# Altium PCB uZed_breakout.PcbDoc (part 1 of 4) (continued)
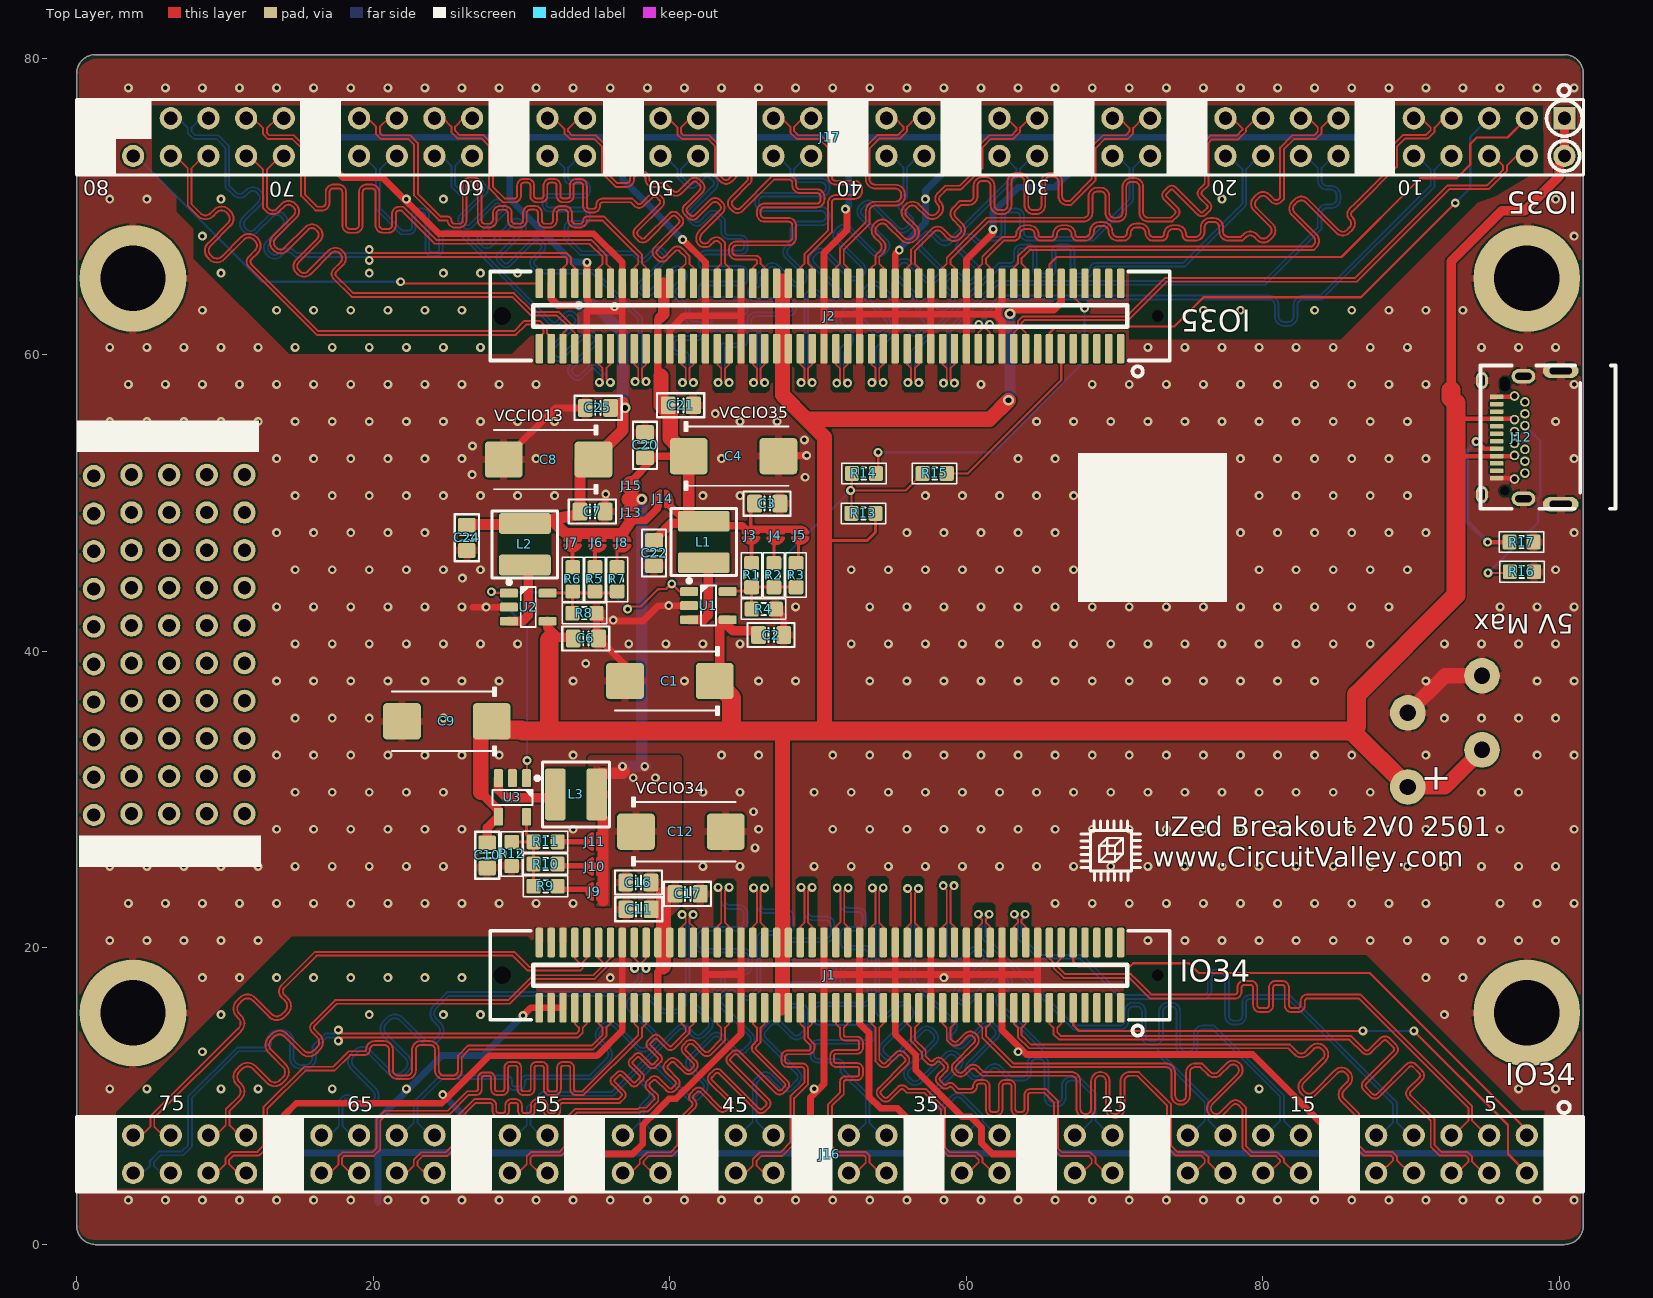
[diagram p0: Top Layer view]
## Components (designator, comment, footprint, x,y, rotation, side; value= is the part's Value field where it differs from the comment) (continued)

## Footprints (in the part's own frame and the unit in brackets; to place one, negate y for a bottom-side part, rotate by r counter-clockwise, add the part's x,y. Pads: shape width x height; smd on the part's side, far side on the other; paste and mask are expansions set on the pad)
804-102 [mm] "Wago"
  round 2.4 hole 1.1: 1(-3,-0.8) 1(-0.5,4.2) 2(2,-0.8) 2(4.5,4.2)
  silkscreen extent -5.75,-7.5 5.75,7.52, body extent -5.69,-7.51 5.81,7.49, height 14.41
61083-101400LF [mm] "61083-101400LF MicroZed Carrier board"
  rrect40% 0.5x2 smd: 1(-19.6,2.2) 2(-19.6,-2.2) 3(-18.8,2.2) 4(-18.8,-2.2) 5(-18,2.2) 6(-18,-2.2) 7(-17.2,2.2) 8(-17.2,-2.2) 9(-16.4,2.2) 10(-16.4,-2.2) 11(-15.6,2.2) 12(-15.6,-2.2) 13(-14.8,2.2) 14(-14.8,-2.2) 15(-14,2.2) 16(-14,-2.2) 17(-13.2,2.2) 18(-13.2,-2.2) 19(-12.4,2.2) 20(-12.4,-2.2) 21(-11.6,2.2) 22(-11.6,-2.2) 23(-10.8,2.2) 24(-10.8,-2.2) 25(-10,2.2) 26(-10,-2.2) 27(-9.2,2.2) 28(-9.2,-2.2) 29(-8.4,2.2) 30(-8.4,-2.2) 31(-7.6,2.2) 32(-7.6,-2.2) 33(-6.8,2.2) 34(-6.8,-2.2) 35(-6,2.2) 36(-6,-2.2) 37(-5.2,2.2) 38(-5.2,-2.2) 39(-4.4,2.2) 40(-4.4,-2.2) 41(-3.6,2.2) 42(-3.6,-2.2) 43(-2.8,2.2) 44(-2.8,-2.2) 45(-2,2.2) 46(-2,-2.2) 47(-1.2,2.2) 48(-1.2,-2.2) 49(-0.4,2.2) 50(-0.4,-2.2) 51(0.4,2.2) 52(0.4,-2.2) 53(1.2,2.2) 54(1.2,-2.2) 55(2,2.2) 56(2,-2.2) 57(2.8,2.2) 58(2.8,-2.2) 59(3.6,2.2) 60(3.6,-2.2) 61(4.4,2.2) 62(4.4,-2.2) 63(5.2,2.2) 64(5.2,-2.2) 65(6,2.2) 66(6,-2.2) 67(6.8,2.2) 68(6.8,-2.2) 69(7.6,2.2) 70(7.6,-2.2) 71(8.4,2.2) 72(8.4,-2.2) 73(9.2,2.2) 74(9.2,-2.2) 75(10,2.2) 76(10,-2.2) 77(10.8,2.2) 78(10.8,-2.2) 79(11.6,2.2) 80(11.6,-2.2) 81(12.4,2.2) 82(12.4,-2.2) 83(13.2,2.2) 84(13.2,-2.2) 85(14,2.2) 86(14,-2.2) 87(14.8,2.2) 88(14.8,-2.2) 89(15.6,2.2) 90(15.6,-2.2) 91(16.4,2.2) 92(16.4,-2.2) 93(17.2,2.2) 94(17.2,-2.2) 95(18,2.2) 96(18,-2.2) 97(18.8,2.2) 98(18.8,-2.2) 99(19.6,2.2) 100(19.6,-2.2)
  round 0 hole 1.2 unplated: 108(22.1,0)
  round 0 hole 0.8 unplated: ""(-22.1,0)
  silkscreen extent -22.91,-3 22.91,4.08, body extent -22.9,-3 22.9,3, height 4.71
CAPC1608N [mm] "Chip Capacitor, Body 1.6x0.8mm, 0603, IPC Medium Density"
  round 0.254 on Mech14: 0(0,0)
  rrect25% 1x1.2 smd: 1(-0.85,0) 2(0.85,0)
  Top Layer pour cut-out: -0.4,0.6 0.4,0.6 0.4,-0.6 -0.4,-0.6
  silkscreen extent -1.57,-0.81 1.6,0.81, body extent -0.85,-0.45 0.85,0.45, height 0.89
CAPMP7343X310N [mm] "Molded body capacitor, Body 7.3x4.3mm, 2917, IPC Nominal settings"
  round 1 on Mech14: 0(0,0)
  rrect20% 2.55x2.45 smd: 1(-3.025,0) 2(3.025,0)
  silkscreen extent -3.3,-2.3 3.7,2.3, body extent -3.8,-1.97 3.8,1.98, height 3.1
Header_2x40 [mm] "Standard 2.54 2x40 80 Pin"
  rect 1.5x1.5 hole 0.9: 1(49.53,1.27)
  round 1.5 hole 0.9: 2(49.53,-1.27) 3(46.99,1.27) 4(46.99,-1.27) 5(44.45,1.27) 6(44.45,-1.27) 7(41.91,1.27) 8(41.91,-1.27) 9(39.37,1.27) 10(39.37,-1.27) 11(36.83,1.27) 12(36.83,-1.27) 13(34.29,1.27) 14(34.29,-1.27) 15(31.75,1.27) 16(31.75,-1.27) 17(29.21,1.27) 18(29.21,-1.27) 19(26.67,1.27) 20(26.67,-1.27) 21(24.13,1.27) 22(24.13,-1.27) 23(21.59,1.27) 24(21.59,-1.27) 25(19.05,1.27) 26(19.05,-1.27) 27(16.51,1.27) 28(16.51,-1.27) 29(13.97,1.27) 30(13.97,-1.27) 31(11.43,1.27) 32(11.43,-1.27) 33(8.89,1.27) 34(8.89,-1.27) 35(6.35,1.27) 36(6.35,-1.27) 37(3.81,1.27) 38(3.81,-1.27) 39(1.27,1.27) 40(1.27,-1.27) 41(-1.27,1.27) 42(-1.27,-1.27) 43(-3.81,1.27) 44(-3.81,-1.27) 45(-6.35,1.27) 46(-6.35,-1.27) 47(-8.89,1.27) 48(-8.89,-1.27) 49(-11.43,1.27) 50(-11.43,-1.27) 51(-13.97,1.27) 52(-13.97,-1.27) 53(-16.51,1.27) 54(-16.51,-1.27) 55(-19.05,1.27) 56(-19.05,-1.27) 57(-21.59,1.27) 58(-21.59,-1.27) 59(-24.13,1.27) 60(-24.13,-1.27) 61(-26.67,1.27) 62(-26.67,-1.27) 63(-29.21,1.27) 64(-29.21,-1.27) 65(-31.75,1.27) 66(-31.75,-1.27) 67(-34.29,1.27) 68(-34.29,-1.27) 69(-36.83,1.27) 70(-36.83,-1.27) 71(-39.37,1.27) 72(-39.37,-1.27) 73(-41.91,1.27) 74(-41.91,-1.27) 75(-44.45,1.27) 76(-44.45,-1.27) 77(-46.99,1.27) 78(-46.99,-1.27) 79(-49.53,1.27) 80(-49.53,-1.27)
  silkscreen extent -50.8,-2.54 50.8,3.53
RESC1608N_ZERO [mm] "Chip Resistor, Body 1.6x0.8mm, 0603, IPC Medium Density"
  round 0.254 on Mech14: 0(0,0)
  rrect25% 0.95x1 smd: 1(-0.813,0) 2(0.813,0)
  Top Layer pour cut-out: -0.4,0.6 0.4,0.6 0.4,-0.6 -0.4,-0.6
  silkscreen extent -1.5,-0.7 1.5,0.7, body extent -0.87,-0.47 0.88,0.48, height 0.54
SFE4018A-2R2M-F-HF [mm] "DDY 2.2 3A 4x4mm"
  rrect25% 1.4x3.5 smd: 1(-1.4,0) 2(1.4,0)
  Top Layer pour cut-out: -0.711,1.854 0.66,1.854 0.66,-1.829 -0.737,-1.829
  silkscreen extent -2.26,-2.2 2.26,2.2, body extent -1.5,-1.5 1.5,1.5, height 1.35
SMD_Jumper [mil]
  round 1 smd paste-100: 1(-14,0) 2(14,0)
  Top Layer region: 3.09,19.25 3.09,-20.46 3.39,-21.96 4.24,-23.24 4.24,-23.24 5.55,-24.11 7.1,-24.42 7.1,-24.42 7.4,-24.42 8.07,-24.31 9.76,-23.64 11.49,-22.76 13.09,-21.81 14.93,-20.49 16.35,-19.3 17.4,-18.3 18.7,-16.89 19.32,-16.11 20.5,-14.51 21,-13.73 21.43,-13.01 22.01,-11.95 22.58,-10.79 22.98,-9.83 23.47,-8.57 23.77,-7.62 24,-6.85 24.16,-6.22 24.48,-4.74 24.61,-3.91 24.69,-3.36 24.76,-2.88 24.8,-2.4 24.85,-1.71 24.9,-0.92 24.92,0.08 24.9,0.97 24.84,2.01 24.74,2.99 24.58,4.18 24.39,5.16 24.21,5.99 24.03,6.71 23.78,7.6 23.54,8.34 23.04,9.71 22.56,10.82 21.85,12.27 20.93,13.83 20.43,14.59 19.89,15.37 19.33,16.09 18.36,17.28 17.65,18.03 16.91,18.77 16.15,19.48 15.52,20.01 14.98,20.45 14.23,21.01 13.66,21.41 13.01,21.84 12.54,22.14 12.12,22.39 11.71,22.63 11.35,22.83 10.21,23.41 9.1,23.92 8.49,24.17 8.17,24.27 7.91,24.33 7.62,24.39 7.37,24.41 7.2,24.42 6.96,24.42 6.69,24.4 6.44,24.37 6.2,24.33 5.83,24.22 5.57,24.12 5.41,24.05 5.22,23.96 5,23.84 4.81,23.71 4.66,23.6 4.52,23.49 4.39,23.37 4.29,23.28 4.2,23.19 4.09,23.07 3.95,22.9 3.85,22.78 3.76,22.64 3.67,22.49 3.58,22.35 3.5,22.19 3.4,21.99 3.34,21.83 3.28,21.68 3.22,21.43 3.17,21.26 3.13,21.04 3.1,20.78 3.09,20.61 3.08,20.52
  Top Layer region: -3.09,-19.25 -3.09,20.46 -3.39,21.96 -4.24,23.24 -4.24,23.24 -5.55,24.11 -7.1,24.42 -7.1,24.42 -7.4,24.42 -8.07,24.31 -9.76,23.64 -11.49,22.76 -13.09,21.81 -14.93,20.49 -16.35,19.3 -17.4,18.3 -18.7,16.89 -19.32,16.11 -20.5,14.51 -21,13.73 -21.43,13.01 -22.01,11.95 -22.58,10.79 -22.98,9.83 -23.47,8.57 -23.77,7.62 -24,6.85 -24.16,6.22 -24.48,4.74 -24.61,3.91 -24.69,3.36 -24.76,2.88 -24.8,2.4 -24.85,1.71 -24.9,0.92 -24.92,-0.08 -24.9,-0.97 -24.84,-2.01 -24.74,-2.99 -24.58,-4.18 -24.39,-5.16 -24.21,-5.99 -24.03,-6.71 -23.78,-7.6 -23.54,-8.34 -23.04,-9.71 -22.56,-10.82 -21.85,-12.27 -20.93,-13.83 -20.43,-14.59 -19.89,-15.37 -19.33,-16.09 -18.36,-17.28 -17.65,-18.03 -16.91,-18.77 -16.15,-19.48 -15.52,-20.01 -14.98,-20.45 -14.23,-21.01 -13.66,-21.41 -13.01,-21.84 -12.54,-22.14 -12.12,-22.39 -11.71,-22.63 -11.35,-22.83 -10.21,-23.41 -9.1,-23.92 -8.49,-24.17 -8.17,-24.27 -7.91,-24.33 -7.62,-24.39 -7.37,-24.41 -7.2,-24.42 -6.96,-24.42 -6.69,-24.4 -6.44,-24.37 -6.2,-24.33 -5.83,-24.22 -5.57,-24.12 -5.41,-24.05 -5.22,-23.96 -5,-23.84 -4.81,-23.71 -4.66,-23.6 -4.52,-23.49 -4.39,-23.37 -4.29,-23.28 -4.2,-23.19 -4.09,-23.07 -3.95,-22.9 -3.85,-22.78 -3.76,-22.64 -3.67,-22.49 -3.58,-22.35 -3.5,-22.19 -3.4,-21.99 -3.34,-21.83 -3.28,-21.68 -3.22,-21.43 -3.17,-21.26 -3.13,-21.04 -3.1,-20.78 -3.09,-20.61 -3.08,-20.52
SMD_Jumper_bridge [mil]
  round 1 smd paste-200: 1(-14,0) 2(14,0)
  Top Layer region: -15.73,-11 10,-11 10,11.99 -15.73,11.99
  Top Layer region: -3.06,14.1 -3.06,20.36 -3.37,21.92 -4.25,23.24 -5.57,24.12 -7.12,24.43 -7.12,24.43 -7.91,24.36 -8.93,24.03 -10.15,23.46 -12.24,22.35 -13.71,21.4 -15.5,20.08 -16.33,19.34 -17.48,18.24 -18.29,17.36 -19.04,16.51 -19.74,15.6 -20.48,14.55 -21.08,13.62 -21.42,13.04 -21.77,12.41 -22.01,11.97 -22.28,11.45 -22.72,10.51 -23.05,9.73 -23.36,8.92 -23.61,8.18 -23.83,7.49 -23.94,7.09 -24.09,6.52 -24.19,6.11 -24.5,4.7 -24.6,4.08 -24.73,3.25 -24.78,2.78 -24.83,2.24 -24.87,1.74 -24.91,1.12 -24.94,0.64 -24.93,0.12 -24.93,-0.28 -24.92,-0.7 -24.9,-1.08 -24.88,-1.52 -24.85,-2 -24.82,-2.36 -24.76,-2.96 -24.69,-3.47 -24.6,-4.08 -24.45,-4.94 -24.15,-6.31 -23.98,-6.95 -23.77,-7.68 -23.5,-8.5 -23.03,-9.77 -22.36,-11.27 -21.63,-12.73 -20.69,-14.27 -19.76,-15.6 -18.33,-17.28 -16.8,-18.92 -14.99,-20.45 -14.21,-21.04 -13.46,-21.55 -12.29,-22.31 -11.19,-22.93 -10.4,-23.34 -9.54,-23.74 -8.7,-24.1 -8.24,-24.26 -7.94,-24.34 -7.65,-24.4 -7.36,-24.42 -6.89,-24.43 -5.45,-24.14 -4.22,-23.32 -3.41,-22.1 -3.12,-20.65 -3.12,-20.65 -3.12,-19.49
  Top Layer region: 3.06,-14.1 3.06,-20.36 3.37,-21.92 4.25,-23.24 5.57,-24.12 7.12,-24.43 7.12,-24.43 7.91,-24.36 8.93,-24.03 10.15,-23.46 12.24,-22.35 13.71,-21.4 15.5,-20.08 16.33,-19.34 17.48,-18.24 18.29,-17.36 19.04,-16.51 19.74,-15.6 20.48,-14.55 21.08,-13.62 21.42,-13.04 21.77,-12.41 22.01,-11.97 22.28,-11.45 22.72,-10.51 23.05,-9.73 23.36,-8.92 23.61,-8.18 23.83,-7.49 23.94,-7.09 24.09,-6.52 24.19,-6.11 24.5,-4.7 24.6,-4.08 24.73,-3.25 24.78,-2.78 24.83,-2.24 24.87,-1.74 24.91,-1.12 24.94,-0.64 24.93,-0.12 24.93,0.28 24.92,0.7 24.9,1.08 24.88,1.52 24.85,2 24.82,2.36 24.76,2.96 24.69,3.47 24.6,4.08 24.45,4.94 24.15,6.31 23.98,6.95 23.77,7.68 23.5,8.5 23.03,9.77 22.36,11.27 21.63,12.73 20.69,14.27 19.76,15.6 18.33,17.28 16.8,18.92 14.99,20.45 14.21,21.04 13.46,21.55 12.29,22.31 11.19,22.93 10.4,23.34 9.54,23.74 8.7,24.1 8.24,24.26 7.94,24.34 7.65,24.4 7.36,24.42 6.89,24.43 5.45,24.14 4.22,23.32 3.41,22.1 3.12,20.65 3.12,20.65 3.12,19.49
SOT23-5 [mm]
  round 0.5 on Mech14: 0(0,0)
  rrect25% 1.2x0.6 smd: 1(-1.3,0.95) 2(-1.3,0) 3(-1.3,-0.95) 4(1.3,-0.95) 5(1.3,0.95)
  silkscreen extent -1.42,-1.35 0.51,1.81, body extent -1.4,-1.45 1.4,1.45, height 1.44
UT11113-11602-7H [mm] "Foxconn USB connector"
  oval 1x2.4 hole 0.5 slot 1.5 at 90 deg: 0(-4.5,-0.438) 0(4.5,-0.438)
  oval 1x1.6 hole 0.5 slot 1.1 at 90 deg: 0(-4.13,2.077) 0(4.13,2.077)
  oval 1.15x0.8 hole 0.4 slot 0.75 at 0 deg: 0(-3.845,4.877) 0(3.845,4.877)
  round 0.1 hole 0.65 unplated: 1(-3.6,3.327)
  round 0.1 hole 0.65 slot 0.95 at 0 deg unplated: 1(3.6,3.327)
  rrect20% 0.3x0.9 smd: A1(-2.75,3.887) A2(-2.25,3.887) A3(-1.75,3.887) A4(-1.25,3.887) A5(-0.75,3.887) A6(-0.25,3.887) A7(0.25,3.887) A8(0.75,3.887) A9(1.25,3.887) A10(1.75,3.887) A11(2.25,3.887) A12(2.75,3.887)
  round 0.65 hole 0.4: B1(2.8,2.677) B2(2.4,1.977) B3(1.6,1.977) B4(1.2,2.677) B5(0.8,1.977) B6(0.4,2.677) B7(-0.4,2.677) B8(-0.8,1.977) B9(-1.2,2.677) B10(-1.6,1.977) B11(-2.4,1.977) B12(-2.8,2.677)
  silkscreen extent -4.8,-4.12 4.85,4.98, body extent -4.8,-3.71 4.85,4.99, height 3.19

## Part data
C1 C4 C8 C9 C12: library part CAPT_330u_2917_6V3, "Capacitor SMD Tant 330uF 20% 6V3 2917", ESR (Equivalent Series Resistance)="15 mOhm", Manufacturer Part Number=T520D337M006ATE015, Manufacturer Size Code=D, Operating Temperature="-55°C ~ 125°C", Package / Case="2917 (7343 Metric)", Ratings=6.3V, Supplier Part Number 1=399-4052-1-ND, Tolerance=±20%, ComponentLink1Description="T520D Datasheet", ComponentLink1URL=http://www.kemet.com/datasheets&T520D337M006ATE015, Height - Seated (Max)="0.122\" (3.10mm)", Material="Solid Tantalum", Part=TAJD336K020R, Size / Dimension="0.287\" L x 0.169\" W (7.30mm x 4.30mm)", Supplier 1=Digi-Key
C2 C3 C6 C7 C10 C11 C16 C17 C20 C21 C22 C24 C25: library part CAPC_10p_0603_NP0_1%_50V, "Capacitor SMD Cer 10pF 5% 50V NP0 0603", Manufacturer 1="Murata Electronics North America", Manufacturer Part Number 1=GRM1885C1H100FA01J, Operating Temperature="-55°C ~ 125°C", Package / Case="0603 (1608 Metric)", Ratings="50V; NP0", Supplier Part Number 1=GRM1885C1H100FA01J-ND, Tolerance=±5%, Part=C0603X104K5RAC, Size / Dimension="0.063\" L x 0.032\" W (1.60mm x 0.81mm)", Supplier 1=Digi-Key, Thickness (Max)="0.035\" (0.90mm)"
J3 J5 J6 J8 J9 J11 J13 J14 J15: library part SMD_Jumper
J4 J7 J10: library part SMD_Jumper_Bridged, "SMD Jumper"
J12: library part USB_C, "USB C connector"
J16 J17: library part Header_2x40
L1 L2 L3: library part inductor_smd
R1 R2 R3 R4 R5 R6 R7 R8 R9 R10 R11 R12 R13 R14 R15 R16 R17: library part RES_0R_0603, "Resistor SMD chip 0.0 Ohm 0.1W 0603", Manufacturer 1=Vishay/Dale, Manufacturer Part Number 1=CRCW06030000Z0EA, Package / Case="0603 (1608metric)", Ratings=1/10W, Supplier Part Number 1=541-0.0GCT-ND, Tolerance=±5%, Supplier 1=Digi-Key
J19: Part=804-102

## Free pads (board coordinates)
  round 1.5 hole 0.9: 0(1.16,26.504) 0(1.16,28.968) 0(1.16,31.508) 0(1.16,34.048) 0(1.16,36.588) 0(1.16,39.128) 0(1.16,41.668) 0(1.16,44.208) 0(1.16,46.748) 0(1.16,49.288) 0(1.16,51.828) 0(1.16,54.444) 0(3.7,26.504) 0(3.7,29.044) 0(3.7,31.584) 0(3.7,34.124) 0(3.7,36.664) 0(3.7,39.204) 0(3.7,41.744) 0(3.7,44.284) 0(3.7,46.824) 0(3.7,49.364) 0(3.7,51.904) 0(3.7,54.444) 0(6.24,26.504) 0(6.24,29.044) 0(6.24,31.584) 0(6.24,34.124) 0(6.24,36.664) 0(6.24,39.204) 0(6.24,41.744) 0(6.24,44.284) 0(6.24,46.824) 0(6.24,49.364) 0(6.24,51.904) 0(6.24,54.444) 0(8.78,26.504) 0(8.78,29.044) 0(8.78,31.584) 0(8.78,34.124) 0(8.78,36.664) 0(8.78,39.204) 0(8.78,41.744) 0(8.78,44.284) 0(8.78,46.824) 0(8.78,49.364) 0(8.78,51.904) 0(8.78,54.444) 0(11.32,26.504) 0(11.32,29.044) 0(11.32,31.584) 0(11.32,34.124) 0(11.32,36.664) 0(11.32,39.204) 0(11.32,41.744) 0(11.32,44.284) 0(11.32,46.824) 0(11.32,49.364) 0(11.32,51.904) 0(11.32,54.444)
  round 7.2 hole 4.4: 0(3.81,15.621) 1(97.79,15.621) 2(97.79,65.151) 3(3.81,65.151)

## Via types
v1: diameter 0.6, hole 0.3, Top Layer to Bottom Layer, 562 vias
v2: diameter 0.6, hole 0.3, Top Layer to Bottom Layer, tented both sides, 75 vias
v3: diameter 0.711, hole 0.381, Top Layer to Bottom Layer, tented both sides, 4 vias

## Nets (pads, with @x,y where several pads share a name; then routed paths per layer and width w, separated by ;. In a path a pad name is that pad's centre, name@x,y a point inside that pad or via, vN(x,y) a via of type N, cw(c..) or ccw(c..) an arc to the next point about the centre after c; other vN are vias at no path point)
+5V: C1.1 C2.2 C6.2 C9.1 C10.2 J1.57 J1.58 J1.59 J1.60 J2.12 J2.57 J2.58 J2.59 J2.60 J12.A4 J12.A9 J12.B4 J12.B9 J17.1 J17.2 J19.2 R13.1 U1.4 U2.4 U3.4 | length 235
  Top Layer w0.203: 50.434,47.473 53.315,47.473 53.874,48.032 R13.1@53.874,49.301
  Top Layer w0.305: 93.008,53.315 93.153,53.17 J12.A4@95.753,53.17 96.963,53.17 J12.B9@96.963,53.22 ; 93.243,55.67 J12.A9@95.753,55.67 96.963,55.67 J12.B4@96.963,55.62
  Top Layer w0.508: 63.195,63.043 65.888,63.043 66.4,63.555 J2.12@66.4,64.811
  Top Layer w0.635: 27.252,30.484 28.438,29.298 U3.4@28.438,28.85 27.686,28.098 C10.2@27.686,27.088 ; U2.4@31.755,42.027 31.755,41.626 32.436,40.945 33.415,40.945 C6.2@33.491,40.869 ; 31.862,40.771 31.862,41.519 ; C1.1@43.03,37.998 43.38,38.348 43.38,41.756 43.516,41.893 43.516,42.111 43.534,42.128 U1.4@43.9,42.128 ; 43.867,41.776 44.263,41.38 45.805,41.38 45.988,41.197 C2.2@45.988,41.097 ; 92.685,57.607 92.685,66.294 96.111,69.72 97.662,69.72 99.99,72.048 99.99,72.832 100.33,73.172 J17.1@100.33,75.946
  Top Layer w1.016: 27.252,30.484 27.252,34.564 27.969,35.281 C9.1@27.993,35.281 ; 47.523,15.951 47.6,16.027 47.6,34.468 47.752,34.62 ; 47.574,64.973 47.6,64.948 47.6,57.277 49.225,55.651 ; 50.434,35.164 50.434,47.473 50.434,54.442 49.225,55.651 ; v3(62.84,56.921) 61.57,55.651 49.225,55.651 ; J19.2@89.767,30.854 92.267,30.854 J19.2@94.767,33.354
  Top Layer w1.27: C9.1@27.993,35.281 28.583,34.691 30.003,34.691 30.073,34.62 31.869,34.62 ; 31.869,40.763 31.869,34.62 ; C1.1@43.03,37.998 44.171,36.858 44.171,34.62 ; J19.2@89.767,30.854 86.001,34.62 ; 92.685,57.607 92.685,57.067 93.008,56.743 93.008,53.315 93.008,43.783 86.309,37.084 86.309,34.928 86.001,34.62 ; 31.869,34.62 44.171,34.62 ; 44.171,34.62 47.752,34.62 86.001,34.62
  Bottom Layer w0.508: v3@62.789,56.972 v3(62.84,56.921)
  Bottom Layer w0.762: v3@62.789,56.972 62.941,57.125 v3(62.941,62.763)
GND: C1.2 C2.1 C3.1 C4.2 C6.1 C7.1 C8.2 C9.2 C10.1 C11.1 C12.2 C16.1 C17.1 C20.1 C21.1 C22.1 C24.1 C25.1 J1.15 J1.16 J1.21 J1.22 J1.27 J1.28 J1.33 J1.34 J1.39 J1.40 J1.45 J1.46 J1.51 J1.52 J1.65 J1.66 J1.71 J1.72 J1.77 J1.85 J1.86 J1.95 J1.96 J1.97 J1.98 J1.99 J1.100 J2.15 J2.16 J2.21 J2.22 J2.27 J2.28 J2.33 J2.34 J2.39 J2.40 J2.45 J2.46 J2.51 J2.52 J2.65 J2.66 J2.71 J2.72 J2.77 J2.85 J2.86 J2.91 J2.92 J12.0 J12.A1 J12.A12 J12.B1 J12.B12 J16.1 J16.2 J16.13 J16.14 J16.23 J16.24 J16.29 J16.30 J16.35 J16.36 J16.41 J16.42 J16.47 J16.48 J16.53 J16.54 J16.59 J16.60 J16.69 J16.70 J16.79 J16.80 J17.11 J17.12 J17.21 J17.22 J17.27 J17.28 J17.33 J17.34 J17.39 J17.40 J17.45 J17.46 J17.51 J17.52 J17.57 J17.58 J17.67 J17.68 J17.77 J17.79 J17.80 J19.1 pad.0@1.16,26.504 pad.0@1.16,54.444 pad.0@3.7,26.504 pad.0@3.7,54.444 pad.0@3.81,15.621 pad.0@6.24,26.504 pad.0@6.24,54.444 pad.0@8.78,26.504 pad.0@8.78,54.444 pad.0@11.32,26.504 pad.0@11.32,54.444 pad.1 pad.2 pad.3 R4.2 R8.1 R12.2 R16.2 R17.2 U1.2 U2.2 U3.2 | length 529.2
  Top Layer w0.305: J12.A1@95.753,51.67 95.755,51.667 96.915,51.667 J12.B12@96.963,51.62 ; J12.A12@95.753,57.17 95.755,57.172 96.915,57.172 J12.B1@96.963,57.22
  Top Layer w0.457: J16.69@13.97,7.366 13.97,8.687 14.808,9.525 24.62,9.525 24.934,9.839 24.689,10.084 v2(24.689,10.109) ; J17.68@16.51,73.406 17.958,71.958 20.633,71.958 24.431,68.161 34.863,68.161 36.8,66.224 J2.86@36.8,64.811 36.8,62.992 ; 24.946,9.852 27.82,12.725 35.077,12.725 36.8,14.448 J1.85@36.8,15.961 J1.86@36.8,20.361 ; 26.721,42.977 U2.2@29.155,42.977 ; C8.2@28.801,52.934 32.281,56.413 C25.1@34.304,56.413 ; v2(30.099,15.443) 30.617,15.961 J1.99@31.2,15.961 J1.97@32,15.961 J1.95@32.8,15.961 ; 34.366,6.096 37.49,6.096 38.176,6.782 38.176,8.052 38.672,8.547 38.684,8.547 39.637,9.5 39.637,9.512 39.954,9.83 40.41,9.83 41.07,10.49 41.097,10.49 44.8,14.193 J1.65@44.8,15.961 44.8,18.212 ; J2.91@34.4,60.411 34.4,62.927 34.538,63.065 34.538,63.608 34.421,63.724 34.421,64.79 J2.92@34.4,64.811 34.408,64.819 34.408,66.218 v2(34.415,66.226) ; 34.422,62.95 36.758,62.95 36.8,62.992 ; C7.1@35.641,49.429 35.641,50.558 v2(35.68,50.597) ; J2.85@36.8,60.411 36.8,62.992 ; C1.2@36.98,37.998 36.98,39.079 C6.1@35.191,40.869 35.052,41.007 R8.1@35.052,42.57 35.052,42.545 35.299,42.299 35.324,42.299 35.581,42.042 38.206,42.042 39.243,43.078 U1.2@41.3,43.078 ; J2.77@40,60.411 40,61.666 40.97,62.636 42.4,62.636 ; v2(40.869,67.768) 42.4,66.236 J2.72@42.4,64.811 42.4,62.636 ; J1.71@42.4,15.961 42.4,18.339 ; J1.72@42.4,20.361 42.4,18.339 ; J2.71@42.4,60.411 42.4,62.636 ; J1.66@44.8,20.361 44.8,18.212 ; J2.65@44.8,60.411 44.8,62.738 ; J2.66@44.8,64.811 44.8,62.738 ; R4.2@47.143,42.85 47.688,42.305 C2.1@47.688,41.097 ; C4.2@47.323,53.162 47.365,53.205 v2(49.22,53.205) ; J16.41@49.53,7.366 49.479,7.417 49.479,9.906 50.4,10.827 J1.51@50.4,15.961 50.4,18.212 ; J1.52@50.4,20.361 50.4,18.212 ; J2.51@50.4,60.411 50.4,62.713 ; v2(51.841,69.825) 51.943,69.825 51.943,68.402 50.4,66.859 J2.52@50.4,64.811 50.4,62.713 ; J1.46@52.8,20.361 52.8,18.212 ; J2.45@52.8,60.411 52.8,62.738 ; J2.46@52.8,64.811 52.8,62.738 ; J1.40@55.2,20.361 55.2,18.212 ; J2.39@55.2,60.411 55.2,62.738 ; v2(55.474,67.056) 55.2,66.782 J2.40@55.2,64.811 55.2,62.738 ; J16.35@57.15,7.366 55.321,9.195 54.204,9.195 53.442,9.957 53.442,14.275 52.8,14.916 J1.45@52.8,15.961 52.8,18.212 ; J1.33@57.6,15.961 57.6,18.212 ; J1.34@57.6,20.361 57.6,18.212 ; J2.33@57.6,60.411 57.6,62.738 ; J2.34@57.6,64.811 57.6,62.738 ; J1.27@60,15.961 60,18.212 ; J1.28@60,20.361 60,18.212 ; J2.27@60,60.411 60,62.738 ; v2(61.798,68.453) 61.798,68.224 60,66.426 J2.28@60,64.811 60,62.738 ; 62.135,62.542 62.4,62.277 J2.21@62.4,60.411 ; J1.22@62.4,20.361 62.4,18.212 ; J2.22@62.4,64.811 62.4,63.467 62.154,63.221 62.154,62.738 62.154,62.56 61.976,62.738 60,62.738 ; 64.694,6.096 61.747,6.096 61.011,6.833 61.011,7.899 60.3,8.611 59.728,8.611 56.584,11.754 56.584,12.797 55.2,14.18 J1.39@55.2,15.961 55.2,18.212 ; J1.15@64.8,15.961 64.8,18.212 ; J1.16@64.8,20.361 64.8,18.212 ; J16.13@85.09,7.366 84.76,7.366 79.311,12.814 64.058,12.814 62.4,14.472 J1.21@62.4,15.961 62.4,18.212 ; 42.4,18.339 42.527,18.212 44.8,18.212 ; 42.4,62.636 44.698,62.636 44.8,62.738 ; 50.4,18.212 52.8,18.212 ; 50.4,62.713 50.425,62.738 52.8,62.738 ; 52.8,18.212 55.2,18.212 ; 52.8,62.738 55.2,62.738 ; 55.2,18.212 57.6,18.212 ; 55.2,62.738 57.6,62.738 ; 57.6,18.212 60,18.212 ; 57.6,62.738 60,62.738 ; 60,18.212 62.4,18.212 ; 62.4,18.212 64.8,18.212
  Top Layer w1.016: J19.1@89.767,35.854 92.267,38.354 J19.1@94.767,38.354
  Bottom Layer w0.457: 14.3,6.172 20.32,6.172 ; 15.545,74.651 87.63,74.687 ; 20.32,2.819 20.32,6.172 ; v2(24.689,10.109) 26.67,8.128 J16.59@26.67,7.366 ; 26.34,6.198 20.32,6.198 ; 27.686,6.172 33.706,6.172 ; J17.58@29.21,73.406 29.21,70.485 33.442,66.253 34.388,66.253 v2(34.415,66.226) ; v2(30.099,15.443) 27.407,12.751 24.638,12.751 20.32,8.433 20.32,6.198 ; 34.671,6.147 100.177,6.18 ; J17.52@36.83,73.406 36.83,71.806 v2(40.869,67.768) ; v2(51.841,69.825) 52.07,70.053 J17.40@52.07,73.406 ; v2(55.474,67.056) 55.474,67.145 57.252,68.923 57.252,71.069 59.588,73.406 J17.34@59.69,73.406 ; v2(61.798,68.453) 61.798,69.614 62.402,70.217 62.419,70.217 63.5,71.298 65.989,71.298 67.31,72.619 J17.28@67.31,73.406 ; 20.32,6.172 20.32,6.198
  other v1: 3.485,3 5.985,3 8.485,3 10.985,3 13.485,3 15.985,3 18.485,3 20.985,3 23.485,3 25.985,3 28.485,3 30.985,3 33.485,3 35.985,3 38.485,3 40.985,3 43.485,3 45.985,3 48.485,3 50.985,3 53.485,3 55.985,3 58.485,3 60.985,3 63.485,3 65.985,3 68.485,3 70.985,3 73.485,3 75.985,3 78.485,3 80.985,3 83.485,3 85.985,3 88.485,3 90.985,3 93.485,3 95.985,3 98.485,3 100.985,3 2.235,10.5 4.735,10.5 9.735,10.5 12.235,10.5 17.235,10.5 22.235,10.5 49.735,10.5 79.735,10.5 97.235,10.5 99.735,10.5 8.485,13 63.485,13 9.735,15.5 19.735,15.5 24.735,15.5 27.235,15.5 92.235,15.5 8.485,18 10.985,18 13.485,18 15.985,18 18.485,18 20.985,18 23.485,18 25.985,18 35.985,18 58.485,18 90.985,18 93.485,18 2.235,20.5 4.735,20.5 7.235,20.5 9.735,20.5 12.235,20.5 72.235,20.5 74.735,20.5 77.235,20.5 79.735,20.5 82.235,20.5 84.735,20.5 87.235,20.5 89.735,20.5 92.235,20.5 94.735,20.5 97.235,20.5 99.735,20.5 3.485,23 5.985,23 8.485,23 10.985,23 13.485,23 15.985,23 18.485,23 20.985,23 23.485,23 25.985,23 28.485,23 30.985,23 33.485,23 65.985,23 68.485,23 70.985,23 73.485,23 75.985,23 78.485,23 80.985,23 83.485,23 85.985,23 88.485,23 90.985,23 95.985,23 98.485,23 100.985,23 2.235,25.5 4.735,25.5 7.235,25.5 9.735,25.5 12.235,25.5 14.735,25.5 17.235,25.5 19.735,25.5 22.235,25.5 24.735,25.5 42.235,25.5 44.735,25.5 49.735,25.5 52.235,25.5 54.735,25.5 57.235,25.5 59.735,25.5 62.235,25.5 64.735,25.5 67.235,25.5 69.735,25.5 72.235,25.5 74.735,25.5 77.235,25.5 79.735,25.5 82.235,25.5 84.735,25.5 87.235,25.5 89.735,25.5 92.235,25.5 94.735,25.5 97.235,25.5 99.735,25.5 45.745,26.746 13.485,28 15.985,28 18.485,28 20.985,28 23.485,28 25.985,28 33.485,28 45.985,28 50.985,28 53.485,28 55.985,28 58.485,28 60.985,28 63.485,28 65.985,28 68.485,28 70.985,28 73.485,28 75.985,28 78.485,28 80.985,28 83.485,28 85.985,28 88.485,28 90.985,28 93.485,28 95.985,28 100.985,28 45.644,29.185 14.735,30.5 17.235,30.5 19.735,30.5 22.235,30.5 24.735,30.5 42.235,30.5 44.735,30.5 49.735,30.5 52.235,30.5 54.735,30.5 57.235,30.5 59.735,30.5 62.235,30.5 64.735,30.5 67.235,30.5 69.735,30.5 72.235,30.5 74.735,30.5 77.235,30.5 79.735,30.5 82.235,30.5 84.735,30.5 87.235,30.5 94.735,30.5 97.235,30.5 13.485,33 15.985,33 18.485,33 20.985,33 23.485,33 25.985,33 28.485,33 33.485,33 43.485,33 45.985,33 50.985,33 53.485,33 55.985,33 58.485,33 60.985,33 63.485,33 65.985,33 68.485,33 70.985,33 73.485,33 75.985,33 78.485,33 80.985,33 83.485,33 85.985,33 90.985,33 98.485,33 100.985,33 14.735,35.5 17.235,35.5 19.735,35.5 24.735,35.5 92.235,35.5 94.735,35.5 97.235,35.5 99.735,35.5 13.485,38 15.985,38 18.485,38 20.985,38 23.485,38 25.985,38 28.485,38 33.485,38 40.985,38 45.985,38 48.485,38 53.485,38 55.985,38 58.485,38 60.985,38 63.485,38 65.985,38 68.485,38 70.985,38 73.485,38 75.985,38 78.485,38 80.985,38 83.485,38 90.985,38 98.485,38 100.985,38 34.329,39.179 14.735,40.5 17.235,40.5 19.735,40.5 22.235,40.5 24.735,40.5 27.235,40.5 29.735,40.5 37.235,40.5 39.735,40.5 42.235,40.5 44.735,40.5 52.235,40.5 54.735,40.5 57.235,40.5 59.735,40.5 62.235,40.5 64.735,40.5 67.235,40.5 69.735,40.5 72.235,40.5 74.735,40.5 77.235,40.5 79.735,40.5 82.235,40.5 84.735,40.5 87.235,40.5 92.235,40.5 94.735,40.5 97.235,40.5 99.735,40.5 36.184,42.109 27.61,42.977 13.485,43 15.985,43 18.485,43 20.985,43 23.485,43 25.985,43 48.485,43 53.485,43 55.985,43 58.485,43 60.985,43 63.485,43 65.985,43 68.485,43 70.985,43 73.485,43 75.985,43 78.485,43 80.985,43 83.485,43 85.985,43 88.485,43 95.985,43 98.485,43 100.985,43 39.929,43.078 26.01,44.933 14.735,45.5 17.235,45.5 19.735,45.5 22.235,45.5 24.735,45.5 27.235,45.5 52.235,45.5 54.735,45.5 57.235,45.5 59.735,45.5 62.235,45.5 64.735,45.5 67.235,45.5 69.735,45.5 72.235,45.5 74.735,45.5 77.235,45.5 79.735,45.5 82.235,45.5 84.735,45.5 87.235,45.5 89.735,45.5 99.735,45.5 13.485,48 15.985,48 18.485,48 20.985,48 23.485,48 55.985,48 58.485,48 60.985,48 63.485,48 65.985,48 68.485,48 70.985,48 73.485,48 75.985,48 78.485,48 80.985,48 83.485,48 85.985,48 88.485,48 90.985,48 100.985,48 14.735,50.5 17.235,50.5 19.735,50.5 22.235,50.5 24.735,50.5 27.235,50.5 29.735,50.5 32.235,50.5 42.235,50.5 44.735,50.5 57.235,50.5 59.735,50.5 62.235,50.5 64.735,50.5 67.235,50.5 69.735,50.5 72.235,50.5 74.735,50.5 77.235,50.5 79.735,50.5 82.235,50.5 84.735,50.5 87.235,50.5 89.735,50.5 49.124,51.74 26.67,51.918 13.485,53 15.985,53 18.485,53 20.985,53 23.485,53 25.985,53 30.985,53 43.485,53 63.485,53 65.985,53 68.485,53 70.985,53 73.485,53 75.985,53 78.485,53 80.985,53 83.485,53 85.985,53 88.485,53 90.985,53 100.985,53 26.695,53.848 49.073,54.254 2.235,55.5 4.735,55.5 7.235,55.5 9.735,55.5 12.235,55.5 14.735,55.5 17.235,55.5 19.735,55.5 22.235,55.5 24.735,55.5 27.235,55.5 29.735,55.5 32.235,55.5 44.735,55.5 47.235,55.5 64.735,55.5 67.235,55.5 69.735,55.5 72.235,55.5 74.735,55.5 77.235,55.5 79.735,55.5 82.235,55.5 84.735,55.5 87.235,55.5 89.735,55.5 99.735,55.5 43.065,56.026 3.485,58 5.985,58 8.485,58 10.985,58 13.485,58 15.985,58 18.485,58 20.985,58 23.485,58 25.985,58 28.485,58 30.985,58 60.985,58 68.485,58 70.985,58 73.485,58 75.985,58 78.485,58 80.985,58 83.485,58 85.985,58 88.485,58 90.985,58 100.985,58 2.235,60.5 4.735,60.5 7.235,60.5 9.735,60.5 12.235,60.5 14.735,60.5 17.235,60.5 19.735,60.5 22.235,60.5 24.735,60.5 27.235,60.5 72.235,60.5 74.735,60.5 77.235,60.5 79.735,60.5 82.235,60.5 84.735,60.5 87.235,60.5 89.735,60.5 94.735,60.5 97.235,60.5 99.735,60.5 8.485,63 13.485,63 15.985,63 18.485,63 20.985,63 23.485,63 25.985,63 75.985,63 78.485,63 83.485,63 85.985,63 88.485,63 90.985,63 93.485,63 9.735,65.5 19.735,65.5 24.735,65.5 27.235,65.5 29.735,65.5 8.485,68 100.985,68 2.235,70.5 4.735,70.5 9.735,70.5 22.235,70.5 24.735,70.5 57.235,70.5 77.235,70.5 99.735,70.5 3.485,78 5.985,78 8.485,78 10.985,78 13.485,78 15.985,78 18.485,78 20.985,78 23.485,78 25.985,78 28.485,78 30.985,78 33.485,78 35.985,78 38.485,78 40.985,78 43.485,78 45.985,78 48.485,78 50.985,78 53.485,78 55.985,78 58.485,78 60.985,78 63.485,78 65.985,78 68.485,78 70.985,78 73.485,78 75.985,78 78.485,78 80.985,78 83.485,78 85.985,78 88.485,78 90.985,78 93.485,78 95.985,78 98.485,78 100.985,78
  other v2: 36.271,63.246
IO_0_34: J1.9 J16.4 | length 37
  Top Layer w0.152: J1.9@67.2,15.961 67.2,14.791 67.589,14.402 v2(86.741,14.402) ; v2(90.17,14.402) 96.52,8.052 96.52,6.096 J16.4@97.79,4.826
  Bottom Layer w0.152: v2(86.741,14.402) v2(90.17,14.402)
IO_0_35: J2.13 J17.5 | length 38.7
  Top Layer w0.152: J2.13@65.6,60.411 65.6,61.46 66.04,61.9 74.016,61.9 75.997,63.881 86.614,63.881 v2(92.964,70.231)
  Bottom Layer w0.152: v2(92.964,70.231) 93.98,71.247 93.98,74.676 J17.5@95.25,75.946
IO_25_34: J1.10 J16.3 | length 37.1
  Top Layer w0.152: J1.10@67.2,20.361 67.2,19.084 67.539,18.745 71.018,18.745 71.247,18.974 75.006,18.974 75.667,18.313 87.198,18.313 97.79,7.722 J16.3@97.79,7.366
IO_25_35: J2.14 J17.3 | length 38.4
  Top Layer w0.152: J2.14@65.6,64.811 65.6,66.108 66.091,66.599 85.293,66.599 90.602,71.907 93.066,71.907 93.98,72.822 93.98,74.219 94.412,74.651 96.495,74.651 J17.3@97.79,75.946
L0_T0_34_N: J1.13 J16.8 | length 45.3
  Top Layer w0.127: J1.13@65.6,15.961 65.6,14.897 65.873,14.624 65.873,14.195 66.25,13.818 85.827,13.818 86.694,12.95 ccw(c87.004,13.26) 87.314,12.95 88.095,13.731 cw(c88.225,13.601) 88.356,13.731 88.796,13.291 cw(c88.665,13.161) 88.85,13.161 cw(c88.665,13.161) 88.796,13.031 86.793,11.028 ccw(c87.103,10.718) 86.793,10.408 87.233,9.968 ccw(c87.543,10.278) 87.853,9.968 89.855,11.971 cw(c89.986,11.841) 90.116,11.971 90.556,11.531 cw(c90.426,11.401) 90.61,11.401 cw(c90.426,11.401) 90.556,11.271 89.775,10.489 ccw(c90.084,10.179) 89.775,9.87 91.313,8.331 91.313,6.6 91.919,5.994 93.675,5.994 93.853,5.817 93.853,5.588 93.091,4.826 J16.8@92.71,4.826
L0_T0_34_P: J1.11 J16.6 | length 45.3
  Top Layer w0.127: J1.11@66.4,15.961 66.4,14.897 66.127,14.624 66.127,14.3 66.356,14.072 85.932,14.072 86.874,13.129 ccw(c87.004,13.26) 87.134,13.129 87.916,13.911 cw(c88.225,13.601) 88.535,13.911 88.975,13.471 cw(c88.665,13.161) 89.104,13.161 cw(c88.665,13.161) 88.975,12.851 86.973,10.849 ccw(c87.103,10.718) 86.973,10.588 87.413,10.148 ccw(c87.543,10.278) 87.673,10.148 89.676,12.151 cw(c89.986,11.841) 90.295,12.151 90.735,11.711 cw(c90.426,11.401) 90.864,11.401 cw(c90.426,11.401) 90.735,11.091 89.954,10.31 ccw(c90.084,10.179) 89.954,10.049 91.567,8.436 91.567,6.706 92.024,6.248 93.78,6.248 94.107,5.922 94.107,5.588 94.869,4.826 J16.6@95.25,4.826
L0_T0_35_N: J2.19 J17.6 | length 40.7
  Top Layer w0.127: J2.19@63.2,60.411 63.2,61.474 63.473,61.747 63.473,62.259 63.8,62.586 70.815,62.586 70.993,62.763 73.406,65.176 86.208,65.176 92.378,71.347 92.452,71.421 95.119,71.421 96.188,72.49 96.188,72.747 95.377,73.558 J17.6@94.971,73.558
L0_T0_35_P: J2.17 J17.4 | length 40.6
  Top Layer w0.127: J2.17@64,60.411 64,61.474 63.727,61.747 63.727,62.154 63.905,62.332 70.92,62.332 73.511,64.922 86.313,64.922 92.558,71.167 95.225,71.167 96.442,72.385 96.442,72.747 97.253,73.558 J17.4@97.511,73.558
L1_T0_34_N: J1.14 J16.7 | length 42.1
  Top Layer w0.127: J1.14@65.6,20.361 65.6,19.298 65.873,19.025 65.873,18.665 66.555,17.983 70.993,17.983 71.3,17.677 72.39,16.586 78.105,16.586 ccw(c78.105,17.031) 78.549,17.031 78.549,17.32 cw(c78.73,17.32) 78.73,17.501 79.157,17.501 cw(c79.157,17.32) 79.337,17.32 79.337,16.132 ccw(c79.797,16.132) 79.797,15.672 80.223,15.672 ccw(c80.223,16.132) 80.683,16.132 80.683,17.32 cw(c80.863,17.32) 80.863,17.501 81.29,17.501 cw(c81.29,17.32) 81.471,17.32 81.471,16.132 ccw(c81.93,16.132) 81.93,15.672 82.357,15.672 ccw(c82.357,16.132) 82.817,16.132 82.817,16.406 cw(c82.997,16.406) 82.997,16.586 86.487,16.586 93.853,9.22 93.853,8.357 92.862,7.366 J16.7@92.71,7.366
L1_T0_34_P: J1.12 J16.5 | length 42.1
  Top Layer w0.127: J1.12@66.4,20.361 66.4,19.298 66.127,19.025 66.127,18.771 66.66,18.237 71.098,18.237 71.479,17.856 72.47,16.866 78.105,16.866 ccw(c78.105,17.031) 78.27,17.031 78.27,17.32 cw(c78.73,17.32) 78.73,17.78 79.157,17.78 cw(c79.157,17.32) 79.616,17.32 79.616,16.132 ccw(c79.797,16.132) 79.797,15.951 80.223,15.951 ccw(c80.223,16.132) 80.404,16.132 80.404,17.32 cw(c80.863,17.32) 80.863,17.78 81.29,17.78 cw(c81.29,17.32) 81.75,17.32 81.75,16.132 ccw(c81.93,16.132) 81.93,15.951 82.357,15.951 ccw(c82.357,16.132) 82.537,16.132 82.537,16.406 cw(c82.997,16.406) 82.997,16.866 86.567,16.866 94.107,9.325 94.107,8.357 95.098,7.366 J16.5@95.25,7.366
L1_T0_35_N: J2.20 J17.9 | length 42.9
  Top Layer w0.127: J2.20@63.2,64.811 63.2,65.875 63.473,66.148 63.473,66.628 64.155,67.31 83.312,67.31 83.413,67.411 ccw(c83.143,67.68) 83.524,67.68 ccw(c83.143,67.68) 83.413,67.949 ; 83.413,67.949 81.958,69.404 cw(c82.407,69.853) 81.958,70.302 82.138,70.482 cw(c82.587,70.033) 83.036,70.482 85.113,68.405 ccw(c85.382,68.674) 85.652,68.405 85.831,68.585 ccw(c85.562,68.854) 85.943,68.854 ccw(c85.562,68.854) 85.831,69.123 cw(c86.184,69.476) 85.831,69.829 86.233,70.231 88.773,72.771 88.773,74.146 89.455,74.828 91.008,74.828 91.313,75.133 91.313,75.311 90.678,75.946 J17.9@90.17,75.946 J17.9@89.586,75.946